# Altium PCB PCIe_to_M2E.PcbDoc (part 2 of 6)
Units mm, origin at the board's own origin, x right, y up, seen from the top; angles counter-clockwise.
Board outline 90 x 100 mm, 6 copper layers (1_TOP, 2_GND, 3_Signal, 4_GND, 5_Signal, 6_BOTTOM), stack 1.617 mm thick; 433 components, 362 nets, 1771 pads, 2680 vias.
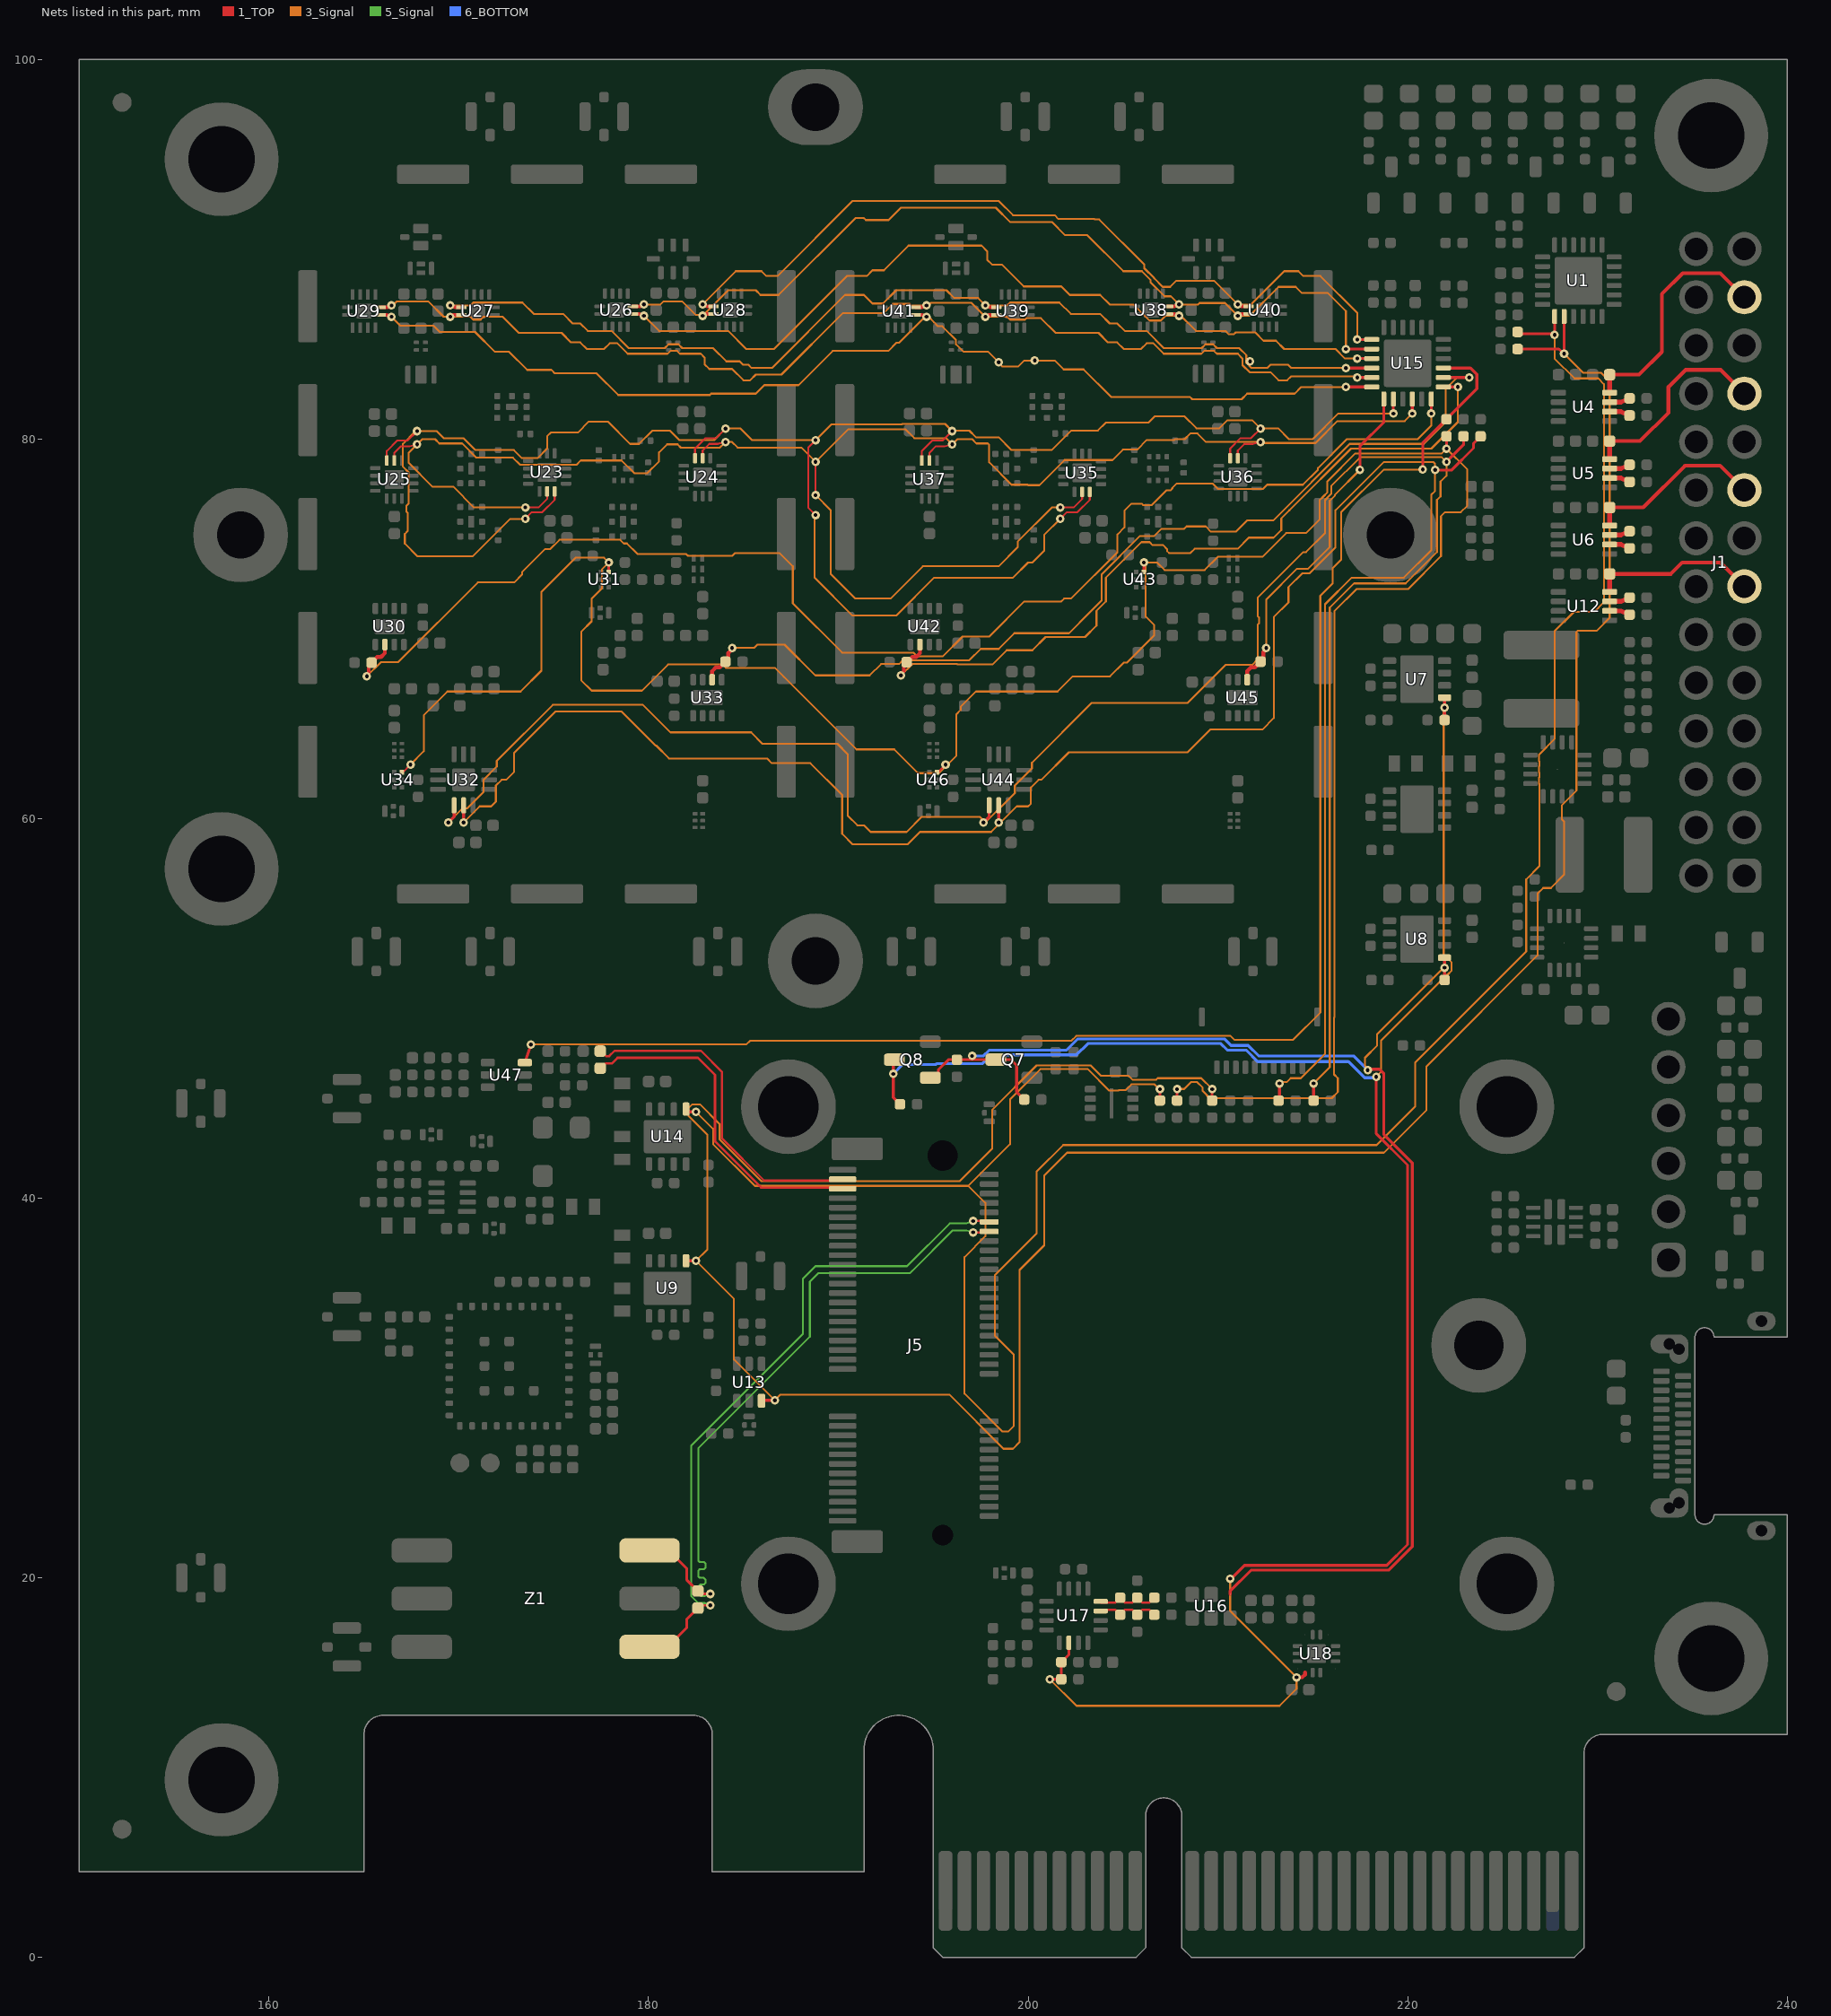
[diagram p6: the nets of this part, all layers, seen from the top]

## Footprints (in the part's own frame and the unit in brackets; to place one, negate y for a bottom-side part, rotate by r counter-clockwise, add the part's x,y. Pads: shape width x height; smd on the part's side, far side on the other; paste and mask are expansions set on the pad) (continued)
LINX_CONMHF4-SMD-G-T [mm]
  rrect50% 0.5x0.65 smd paste-0.025 mask+0.05: 1(0,-0.975)
  rrect50% 0.6x1.5 smd paste-0.025 mask+0.05: SH(-1,0) SH(1,0)
  rrect50% 0.5x0.55 smd paste-0.025 mask+0.05: SH(0,1.025)
  1_TOP keep-out region: -0.675,-0.625 0.675,-0.625 0.675,0.725 -0.675,0.725
  silkscreen extent -1,-1.25 1,0.95, body extent -1,-1 1,1, height 0.86
"Mini-Circuits_ GE0805C-2" [mm]
  rrect50% 0.7x0.3 smd paste-0.025 mask+0.05: 1(-1.05,0) 3(1.05,0)
  rrect50% 0.3x0.7 smd paste-0.025 mask+0.05: 2(-0.65,-0.725) 2(-0.65,0.725) 2(0,-0.725) 2(0,0.725) 2(0.65,-0.725) 2(0.65,0.725)
  silkscreen extent -1.25,-0.7 1.1,0.7, body extent -1,-0.63 1,0.63, height 0.96
Mini-Circuits_KK81 [mm]
  rrect50% 1.27x3.18 smd paste-0.025 mask+0.05: 1(-2.54,6) 2(0,6) 3(2.54,6) 4(2.54,-6) 5(0,-6) 6(-2.54,-6)
  silkscreen extent -4,-7.8 3.81,3.43, body extent -3.81,-7.1 3.81,7.1, height 6.62
MOLEX_5034801000 [mm]
  rrect50% 0.3x0.7 smd: 1(-2.25,3.3) 2(-1.75,3.3) 3(-1.25,3.3) 4(-0.75,3.3) 5(-0.25,3.3) 6(0.25,3.3) 7(0.75,3.3) 8(1.25,3.3) 9(1.75,3.3) 10(2.25,3.3)
  rrect50% 0.3x1 smd paste-0.025 mask+0.05: SH(-3.04,0.65) SH(3.04,0.65)
  silkscreen extent -3.35,0 3.35,4.15, body extent -2.85,0 2.85,3.6, height 1.85
MURATA_LFL0Q806MTR3E981 [mm]
  rrect50% 0.2x0.275 smd paste-0.025 mask+0.05: 1(-0.2,0.238) 2(-0.2,-0.238) 3(0.2,0.238) 3(0.2,-0.238)
  silkscreen extent -0.3,0.55 0.3,0.55, body extent -0.3,-0.38 0.3,0.38, height 0.31
OSCCC320X250X100L70X80N [mm] "Oscillator, Corner Concave; 3.20 mm L X 2.50 mm W X 1.00 mm H body"
  round 0.025 smd paste-0.025 mask+0.05: 1(-0.975,1.275)
  rrect50% 1.05x1.15 smd paste-0.025 mask+0.05: 2(-0.975,-1.275) 3(0.975,-1.275) 4(0.975,1.275)
  1_TOP region: -1.238,0.7 -1.338,0.72 -1.423,0.777 -1.48,0.862 -1.5,0.962 -1.5,0.962 -1.5,1.588 -1.48,1.688 -1.423,1.773 -1.338,1.83 -1.238,1.85 -1.238,1.85 -0.712,1.85 -0.612,1.83 -0.527,1.773 -0.47,1.688 -0.45,1.587 -0.45,1.588 -0.45,1.15 -0.468,1.058 -0.521,0.979 -0.521,0.979 -0.729,0.771 -0.808,0.718 -0.9,0.7 -0.9,0.7
  silkscreen extent -1.75,-1.65 1.3,1.8, body extent -1.25,-1.6 1.25,1.6, height 1
PLD-28 [mm]
  rrect50% 1.8x1.8 hole 1.2 paste-10 mask+0.05: 1(0,0)
  round 1.8 hole 1.2 paste-10 mask+0.05: 2(0,2.54) 3(2.54,0) 4(2.54,2.54) 5(5.08,0) 6(5.08,2.54) 7(7.62,0) 8(7.62,2.54) 9(10.16,0) 10(10.16,2.54) 11(12.7,0) 12(12.7,2.54) 13(15.24,0) 14(15.24,2.54) 15(17.78,0) 16(17.78,2.54) 17(20.32,0) 18(20.32,2.54) 19(22.86,0) 20(22.86,2.54) 21(25.4,0) 22(25.4,2.54) 23(27.94,0) 24(27.94,2.54) 25(30.48,0) 26(30.48,2.54) 27(33.02,0) 28(33.02,2.54)
  silkscreen extent -1.28,-1.7 34.3,3.81, body extent -1.27,-1.27 34.29,3.81, height 8.8
PLS-06 [mm]
  rrect50% 1.8x1.8 hole 1.2 paste-10 mask+0.05: 1(0,0)
  round 1.8 hole 1.2 paste-10 mask+0.05: 2(2.54,0) 3(5.08,0) 4(7.62,0) 5(10.16,0) 6(12.7,0)
  silkscreen extent -1.28,-1.8 13.98,1.27, body extent -1.27,-1.27 13.97,1.27, height 8.8
PSON6P40_110X70X32L20X20N [mm] "Pullback Small Outline No-Lead (PSON), 0.40 mm pitch; 6 pin, 1.10 mm L X 0.70 mm W X 0.32 mm H body"
  rrect25% 0.25x0.25 smd paste+0 mask-99: 1(-0.2,0.4) 2(-0.2,0) 3(-0.2,-0.4) 4(0.2,-0.4) 5(0.2,0) 6(0.2,0.4)
  silkscreen extent -0.6,-0.72 0.53,0.8, body extent -0.35,-0.55 0.35,0.55, height 0.32
PSON9P50_200X300X50L45X25T160X20N [mm] "Pullback Small Outline No-Lead (PSON with Tab), 0.50 mm pitch; 8 pin, 2.00 mm L X 3.00 mm W X 0.50 mm H body"
  rrect51% 0.59x0.35 smd paste-0.025 mask+0.05: 1(-1.12,0.75) 2(-1.12,0.25) 3(-1.12,-0.25) 4(-1.12,-0.75) 5(1.12,-0.75) 6(1.12,-0.25) 7(1.12,0.25) 8(1.12,0.75)
  rrect50% 0.2x1.6 smd paste-0.025 mask+0.05: EP(0,0)
  silkscreen extent -1.6,-1.1 1.6,1.1, body extent -1.5,-1 1.5,1, height 0.5
QFN12P50_250X200X100L40X20N [mm] "Quad Flat No-Lead (QFN), 0.50 mm pitch; rect., 2 pin X 4 pin, 2.50 mm L X 2.00 mm W X 1.00 mm H body"
  rrect35% 1.05x0.4 smd paste-0.025 mask+0.05: 1(-0.675,0.35) 2(-0.675,-0.35) 7(0.675,-0.35) 8(0.675,0.35)
  rrect50% 0.22x0.75 smd paste-0.025 mask+0.05: 3(-0.75,-1.125) 4(-0.25,-1.125) 5(0.25,-1.125) 6(0.75,-1.125) 9(0.75,1.125) 10(0.25,1.125) 11(-0.25,1.125) 12(-0.75,1.125)
  silkscreen extent -1.25,-1.3 1.05,1.3, body extent -1.05,-1.3 1.05,1.3, height 1
QFN13P40_180X180X60L25X18T80N [mm] "Quad Flat No-Lead (QFN with Tab), 0.40 mm pitch; square, 2 pin X 4 pin, 1.80 mm L X 1.80 mm W X 0.60 mm H body"
  rrect48% 0.55x0.2 smd paste-0.025 mask+0.05: 1(-0.875,0.2) 2(-0.875,-0.2) 7(0.875,-0.2) 8(0.875,0.2)
  rrect48% 0.2x0.55 smd paste-0.025 mask+0.05: 3(-0.6,-0.875) 4(-0.2,-0.875) 5(0.2,-0.875) 6(0.6,-0.875) 9(0.6,0.875) 10(0.2,0.875) 11(-0.2,0.875) 12(-0.6,0.875)
  rrect15% 0.8x0.8 smd paste-0.025 mask+0.05: EP(0,0)
  silkscreen extent -1.15,-0.95 0.95,0.95, body extent -0.95,-0.95 0.95,0.95, height 0.6
QFN13P50_300X300X90L50X23T120N [mm] "Quad Flat No-Lead (QFN with Tab), 0.50 mm pitch; square, 3 pin X 3 pin, 3.00 mm L X 3.00 mm W X 0.90 mm H body"
  rrect50% 0.84x0.25 smd paste-0.025 mask+0.05: 1(-1.345,0.5) 2(-1.345,0) 3(-1.345,-0.5) 7(1.345,-0.5) 8(1.345,0) 9(1.345,0.5)
  rrect50% 0.25x0.84 smd paste-0.025 mask+0.05: 4(-0.5,-1.345) 5(0,-1.345) 6(0.5,-1.345) 10(0.5,1.345) 11(0,1.345) 12(-0.5,1.345)
  rrect15% 1.2x1.2 smd paste-0.025 mask+0.05: EP(0,0)
  silkscreen extent -1.75,-1.55 1.55,1.75, body extent -1.55,-1.55 1.55,1.55, height 0.9
QFN15P40_200X200X60L21X18T100N [mm] "Quad Flat No-Lead (QFN with Tab), 0.40 mm pitch; square, 3 pin X 4 pin, 2.00 mm L X 2.00 mm W X 0.60 mm H body"
  rrect48% 0.55x0.2 smd paste-0.025 mask+0.05: 1(-1,0.4) 2(-1,0) 3(-1,-0.4) 8(1,-0.4) 9(1,0) 10(1,0.4)
  rrect48% 0.2x0.55 smd paste-0.025 mask+0.05: 4(-0.6,-1) 5(-0.2,-1) 6(0.2,-1) 7(0.6,-1) 11(0.6,1) 12(0.2,1) 13(-0.2,1) 14(-0.6,1)
  rrect10% 1x1 smd paste-0.025 mask+0.05: EP(0,0)
  silkscreen extent -1.25,-1.05 1.05,1.25, body extent -1.05,-1.05 1.05,1.05, height 0.6
QFN17P50_300X300X100L40X24T170N [mm] "Quad Flat No-Lead (QFN with Tab), 0.50 mm pitch; square, 4 pin X 4 pin, 3.00 mm L X 3.00 mm W X 1.00 mm H body"
  rrect50% 0.75x0.26 smd paste-0.025 mask+0.05: 1(-1.425,0.75) 2(-1.425,0.25) 3(-1.425,-0.25) 4(-1.425,-0.75) 9(1.425,-0.75) 10(1.425,-0.25) 11(1.425,0.25) 12(1.425,0.75)
  rrect50% 0.26x0.75 smd paste-0.025 mask+0.05: 5(-0.75,-1.425) 6(-0.25,-1.425) 7(0.25,-1.425) 8(0.75,-1.425) 13(0.75,1.425) 14(0.25,1.425) 15(-0.25,1.425) 16(-0.75,1.425)
  round 0.025 smd paste-99 mask+0.05: EP(0,0)
  1_TOP region: -0.85,-0.765 -0.85,0.5 -0.841,0.546 -0.815,0.585 -0.815,0.585 -0.585,0.815 -0.546,0.841 -0.5,0.85 -0.5,0.85 0.765,0.85 0.798,0.844 0.825,0.825 0.844,0.798 0.85,0.765 0.85,0.765 0.85,-0.765 0.844,-0.798 0.825,-0.825 0.798,-0.844 0.765,-0.85 0.765,-0.85 -0.765,-0.85 -0.798,-0.844 -0.825,-0.825 -0.844,-0.798 -0.85,-0.765
  silkscreen extent -1.8,-1.55 1.55,1.8, body extent -1.55,-1.55 1.55,1.55, height 1
QFN19P40_200X200X40L25X20T100N [mm] "Quad Flat No-Lead (QFN with Tab), 0.40 mm pitch; square, 5 pin X 4 pin, 2.00 mm L X 2.00 mm W X 0.40 mm H body"
  round 0.025 smd paste-0.025 mask+0.05: 1(-1,0.8) 5(-1,-0.8) 6(-0.6,-1) 9(0.6,-1) 10(1,-0.8) 14(1,0.8) 15(0.6,1) 18(-0.6,1)
  rrect55% 0.5x0.2 smd paste-0.025 mask+0.05: 2(-1,0.4) 3(-1,0) 4(-1,-0.4) 11(1,-0.4) 12(1,0) 13(1,0.4)
  rrect55% 0.2x0.5 smd paste-0.025 mask+0.05: 7(-0.2,-1) 8(0.2,-1) 16(0.2,1) 17(-0.2,1)
  rrect15% 1x1 smd paste-0.025 mask+0.05: EP(0,0)
  1_TOP region: -1.195,0.7 -1.216,0.704 -1.234,0.716 -1.246,0.734 -1.25,0.755 -1.25,0.755 -1.25,0.845 -1.246,0.866 -1.234,0.884 -1.216,0.896 -1.195,0.9 -1.195,0.9 -0.9,0.9 -0.75,0.75 -0.75,0.73 -0.752,0.719 -0.759,0.709 -0.769,0.702 -0.78,0.7 -0.78,0.7
  1_TOP region: -1.195,-0.7 -1.216,-0.704 -1.234,-0.716 -1.246,-0.734 -1.25,-0.755 -1.25,-0.755 -1.25,-0.845 -1.246,-0.866 -1.234,-0.884 -1.216,-0.896 -1.195,-0.9 -1.195,-0.9 -0.9,-0.9 -0.75,-0.75 -0.75,-0.73 -0.752,-0.719 -0.759,-0.709 -0.769,-0.702 -0.78,-0.7 -0.78,-0.7
  1_TOP region: -0.5,1.195 -0.504,1.216 -0.516,1.234 -0.534,1.246 -0.555,1.25 -0.555,1.25 -0.645,1.25 -0.666,1.246 -0.684,1.234 -0.696,1.216 -0.7,1.195 -0.7,1.195 -0.7,0.9 -0.55,0.75 -0.53,0.75 -0.519,0.752 -0.509,0.759 -0.502,0.769 -0.5,0.78 -0.5,0.78
  1_TOP region: 1.195,0.7 1.216,0.704 1.234,0.716 1.246,0.734 1.25,0.755 1.25,0.755 1.25,0.845 1.246,0.866 1.234,0.884 1.216,0.896 1.195,0.9 1.195,0.9 0.9,0.9 0.75,0.75 0.75,0.73 0.752,0.719 0.759,0.709 0.769,0.702 0.78,0.7 0.78,0.7
  1_TOP region: 0.5,1.195 0.504,1.216 0.516,1.234 0.534,1.246 0.555,1.25 0.555,1.25 0.645,1.25 0.666,1.246 0.684,1.234 0.696,1.216 0.7,1.195 0.7,1.195 0.7,0.9 0.55,0.75 0.53,0.75 0.519,0.752 0.509,0.759 0.502,0.769 0.5,0.78 0.5,0.78
  1_TOP region: 1.195,-0.7 1.216,-0.704 1.234,-0.716 1.246,-0.734 1.25,-0.755 1.25,-0.755 1.25,-0.845 1.246,-0.866 1.234,-0.884 1.216,-0.896 1.195,-0.9 1.195,-0.9 0.9,-0.9 0.75,-0.75 0.75,-0.73 0.752,-0.719 0.759,-0.709 0.769,-0.702 0.78,-0.7 0.78,-0.7
  1_TOP region: 0.5,-1.195 0.504,-1.216 0.516,-1.234 0.534,-1.246 0.555,-1.25 0.555,-1.25 0.645,-1.25 0.666,-1.246 0.684,-1.234 0.696,-1.216 0.7,-1.195 0.7,-1.195 0.7,-0.9 0.55,-0.75 0.53,-0.75 0.519,-0.752 0.509,-0.759 0.502,-0.769 0.5,-0.78 0.5,-0.78
  1_TOP region: -0.5,-1.195 -0.504,-1.216 -0.516,-1.234 -0.534,-1.246 -0.555,-1.25 -0.555,-1.25 -0.645,-1.25 -0.666,-1.246 -0.684,-1.234 -0.696,-1.216 -0.7,-1.195 -0.7,-1.195 -0.7,-0.9 -0.55,-0.75 -0.53,-0.75 -0.519,-0.752 -0.509,-0.759 -0.502,-0.769 -0.5,-0.78 -0.5,-0.78
  silkscreen extent -1.3,-1.2 1.2,1.3, body extent -1.05,-1.05 1.05,1.05, height 1
QFN25P50_400X400X80L40X24T250N [mm] "Quad Flat No-Lead (QFN with Tab), 0.50 mm pitch; square, 6 pin X 6 pin, 4.00 mm L X 4.00 mm W X 0.80 mm H body"
  rrect54% 0.8x0.26 smd paste-0.025 mask+0.05: 1(-1.885,1.25) 2(-1.885,0.75) 3(-1.885,0.25) 4(-1.885,-0.25) 5(-1.885,-0.75) 6(-1.885,-1.25) 13(1.885,-1.25) 14(1.885,-0.75) 15(1.885,-0.25) 16(1.885,0.25) 17(1.885,0.75) 18(1.885,1.25)
  rrect54% 0.26x0.8 smd paste-0.025 mask+0.05: 7(-1.25,-1.885) 8(-0.75,-1.885) 9(-0.25,-1.885) 10(0.25,-1.885) 11(0.75,-1.885) 12(1.25,-1.885) 19(1.25,1.885) 20(0.75,1.885) 21(0.25,1.885) 22(-0.25,1.885) 23(-0.75,1.885) 24(-1.25,1.885)
  rrect10% 2.5x2.5 smd paste-99 mask+0.05: EP(0,0)
  silkscreen extent -2.3,-2.05 2.05,2.3, body extent -2.05,-2.05 2.05,2.05, height 0.8
QUECTEL_LG77LC [mm]
  rrect50% 0.4x0.3 smd paste-0.025 mask+0.05: 1(-3.15,2.6) 2(-3.15,1.95) 3(-3.15,1.3) 4(-3.15,0.65) 5(-3.15,0) 6(-3.15,-0.65) 7(-3.15,-1.3) 8(-3.15,-1.95) 9(-3.15,-2.6) 19(3.15,-2.6) 20(3.15,-1.95) 21(3.15,-1.3) 22(3.15,-0.65) 23(3.15,0) 24(3.15,0.65) 25(3.15,1.3) 26(3.15,1.95) 27(3.15,2.6)
  rrect50% 0.3x0.4 smd paste-0.025 mask+0.05: 10(-2.6,-3.15) 11(-1.95,-3.15) 12(-1.3,-3.15) 13(-0.65,-3.15) 14(0,-3.15) 15(0.65,-3.15) 16(1.3,-3.15) 17(1.95,-3.15) 18(2.6,-3.15) 28(2.6,3.15) 29(1.95,3.15) 30(1.3,3.15) 31(0.65,3.15) 32(0,3.15) 33(-0.65,3.15) 34(-1.3,3.15) 35(-1.95,3.15) 36(-2.6,3.15)
  rrect40% 0.5x0.5 smd paste-0.025 mask+0.05: 37(-1.3,1.3) 38(0,1.3) 39(-1.3,0) 40(0,0) 41(-1.3,-1.3) 42(0,-1.3) 43(1.3,-1.3)
  silkscreen extent -3.8,-3.55 3.55,3.8, body extent -3.5,-3.5 3.5,3.5, height 2.01
RESC100X50X40L20N [mm] "Resistor, Chip 0402; 1.00 mm L X 0.50 mm W X 0.40 mm H body"
  rrect50% 0.55x0.55 smd paste-0.025 mask+0.05: 1(-0.45,0) 2(0.45,0)
  silkscreen extent -0.9,-0.45 0.9,0.45, body extent -0.5,-0.25 0.5,0.25, height 0.4
SMD-0603-CAP_HighDensity [mm]
  rect 0.6x0.85 smd mask+0.075: 1(-0.6,0) 2(0.6,0)
  body extent -0.8,-0.4 0.8,0.4, height 0.8
SON8P50_200X200X80L50X25N [mm] "Small Outline No-Lead (SON), 0.50 mm pitch; 8 pin, 2.00 mm L X 2.00 mm W X 0.80 mm H body"
  rrect50% 0.95x0.27 smd paste-0.025 mask+0.05: 1(-0.775,0.75)
  rrect50% 0.85x0.27 smd paste-0.025 mask+0.05: 2(-0.825,0.25) 3(-0.825,-0.25) 4(-0.825,-0.75) 5(0.825,-0.75) 6(0.825,-0.25) 7(0.825,0.25) 8(0.825,0.75)
  silkscreen extent -1.45,-1.05 1,1.05, body extent -1.05,-1 1.05,1, height 0.8
SON9P50_200X200X100L30X25T160X80N [mm] "Small Outline No-Lead (SON with Tab), 0.50 mm pitch; 8 pin, 2.00 mm L X 2.00 mm W X 1.00 mm H body"
  rrect52% 0.6x0.3 smd paste-0.025 mask+0.05: 1(-0.95,0.75) 2(-0.95,0.25) 3(-0.95,-0.25) 4(-0.95,-0.75) 5(0.95,-0.75) 6(0.95,-0.25) 7(0.95,0.25) 8(0.95,0.75)
  rrect20% 0.8x1.6 smd paste-0.025 mask+0.05: EP(0,0)
  silkscreen extent -1.45,-1.1 1,1.1, body extent -1.05,-1 1.05,1, height 1
SON9P65_300X300X100L40X31T250X175N [mm] "Small Outline No-Lead (SON with Tab), 0.65 mm pitch; 8 pin, 3.00 mm L X 3.00 mm W X 1.00 mm H body"
  rrect48% 0.7x0.35 smd paste-0.025 mask+0.05: 1(-1.45,0.975) 2(-1.45,0.325) 3(-1.45,-0.325) 4(-1.45,-0.975) 5(1.45,-0.975) 6(1.45,-0.325) 7(1.45,0.325) 8(1.45,0.975)
  rrect10% 1.75x2.5 smd paste-99 mask+0.05: EP(0,0)
  silkscreen extent -2,-1.5 1.55,1.5, body extent -1.55,-1.5 1.55,1.5, height 1
SOP8P50_200X310X90L27X21N [mm] "Small Outline Pkg (SOP), 0.50 mm pitch; 8 pin, 2.00 mm L X 2.30 mm W X 0.90 mm H body"
  rrect48% 0.8x0.3 smd paste-0.025 mask+0.05: 1(-1.35,0.75) 2(-1.35,0.25) 3(-1.35,-0.25) 4(-1.35,-0.75) 5(1.35,-0.75) 6(1.35,-0.25) 7(1.35,0.25) 8(1.35,0.75)
  silkscreen extent -1.95,-1.1 1.2,1.1, body extent -1.55,-1 1.55,1, height 0.9
SOT23-3P95_245X110L45X44N [mm] "Small Outline Transistor (SOT23), 0.95 mm pitch; 3 pin, 2.90 mm L X 1.30 mm W X 1.10 mm H body"
  rrect50% 1.1x0.65 smd paste-0.025 mask+0.05: 1(-0.95,0.95) 2(-0.95,-0.95) 3(0.95,0)
  silkscreen extent -1.7,-1.5 0.7,1.5, body extent -1.23,-1.45 1.22,1.45, height 1.1
SOT363-2P95_200X125L45X40N [mm] "Small Outline Transistor (SOT23), 0.95 mm pitch; 6 pin, 2.00 mm L X 1.25 mm W X 0.9 mm H body"
  rrect50% 0.75x0.4 smd paste-0.025 mask+0.05: 1(-0.975,0.65) 2(-0.975,0) 3(-0.975,-0.65) 4(0.975,-0.65) 5(0.975,0) 6(0.975,0.65)
  silkscreen extent -1.55,-1.12 0.75,1.12, body extent -1.04,-1.2 1.1,1.2, height 1.65
TAIYO_YUDEN_SMD-8 [mm]
  rrect35% 0.3x0.23 smd paste-0.025 mask+0.05: 1(-0.625,-0.46) 3(0.625,-0.46) 6(0,0.46) GND(-0.625,0) GND(-0.625,0.46) GND(0.625,0) GND(0.625,0.46)
  rrect35% 0.3x0.575 smd paste-0.025 mask+0.05: GND(0,-0.287)
  silkscreen extent -1,-0.8 1,0.8, body extent -0.9,-0.7 0.9,0.7, height 0.51
TAIYO_YUDEN_SMD-9 [mm]
  rrect35% 0.325x0.325 smd paste-0.025 mask+0.05: 1(-0.775,-0.575) 3(0.775,-0.575) 6(0,0.575) GND(-0.775,0) GND(-0.775,0.575) GND(0,-0.575) GND(0.775,0) GND(0.775,0.575)
  rrect35% 0.625x0.325 smd paste-0.025 mask+0.05: GND(0,0)
  silkscreen extent -1.15,-0.95 1.15,0.95, body extent -1,-0.8 1,0.8, height 0.61
TDK_DEA10-L [mm]
  rrect25% 0.25x0.18 smd paste+0 mask-99: 1(-0.2,0.36) 2(-0.2,0) 3(-0.2,-0.36) 4(0.2,-0.36) 5(0.2,0) 6(0.2,0.36)
  silkscreen extent -0.6,-0.67 0.53,0.75, body extent -0.35,-0.5 0.35,0.5, height 0.41
TDK_DEA162495BT-1289A1 [mm]
  rrect50% 0.5x0.3 smd paste-0.025 mask+0.05: 1(-0.85,0) 3(0.85,0)
  rrect25% 0.8x0.5 smd paste-0.025 mask+0.05: 2(0,0.45) 2(0,-0.45)
  silkscreen extent -1.06,-0.55 0.95,0.55, body extent -0.8,-0.4 0.8,0.4, height 0.61
TDK_DEA163750BT-3059A1 [mm]
  rrect50% 0.275x0.7 smd paste-0.025 mask+0.05: 1(-0.562,0) 3(0.562,0)
  rrect25% 0.45x0.245 smd paste-0.025 mask+0.05: 2(0,0.228) 2(0,-0.228)
  silkscreen extent -1.05,-0.55 0.95,0.55, body extent -0.8,-0.4 0.8,0.4, height 0.66
TDK_DEA202025LT-5052C1 [mm]
  rrect50% 0.275x0.95 smd paste-0.025 mask+0.05: 1(-0.687,0) 3(0.687,0)
  rrect25% 0.6x0.95 smd paste-0.025 mask+0.05: 2(0,0)
  silkscreen extent -1.25,-0.7 1.05,0.7, body extent -1,-0.63 1,0.63, height 0.81
TDK_HHM22152A2 [mm]
  rrect25% 0.225x0.35 smd paste-0.025 mask+0.05: 1(-0.222,0.57) 2(-0.222,0) 3(-0.222,-0.57) 4(0.222,-0.57) 5(0.222,0) 6(0.222,0.57)
  silkscreen extent -0.6,-1 0.6,1, body extent -0.4,-0.8 0.4,0.8, height 0.61
TP100 [mm]
  round 1 smd paste-99 mask+0.05: 1(0,0)
  silkscreen extent -0.7,-0.7 0.7,0.7
WAKEFIELD_960-31-33-F-AB-0 [mm]
  round 5 hole 3.2 unplated paste-99 mask+0.1: MH(-12.57,-18.93) MH(12.57,18.93)
  body extent -15.75,-22.11 15.75,22.11, height 33

## Part data
C1 C2 C4 C5 C6 C8 C9 C10 C11 C12 C13 C19 C20 C25 C26 C30 C31 C32 C34 C35 C36 C37 C47 C60 C61 C62 C63 C64 C65 C68 C69 C70 C76 C77 C79 C82 C83 C84 C85 C86 C87 C90 C91 C92 C98 C99 C101 C104 C105: "Capacitor, 0.1u, 25V, 10%, X7R, 0402", Manufacturer="Murata Electronics"
C3 C14 C15 C18 C23 C24 C27 C33: "Capacitor, 10u, 25V, 20%, X5R, 0603"
C7 C16 C17 C21 C22 C28 C29 C39 C43: "CAP CER 47UF 4V X6S 0603", Digi-Key Part Number=490-13246-2-ND, Manufacturer="Murata Electronics North America", Operating Temperature="-55°C ~ 105°C", Package / Case="0.063\" L x 0.031\" W (1.60mm x 0.80mm)", Temperature Coefficient=X6S, Tolerance=±20%, Voltage=4V, Applications="General Purpose", Datasheets=https://www.murata.com/-/media/webrenewal/support/library/catalog/products/capacitor/ceramiccapacitor/c02e.ashx?la=en-us&cvid=20210120024548000000, Failure Rate="Surface Mount, MLCC", Mounting Type="0603 (1608 Metric)", Part Number=GRM188C80G476ME01D, Part Status=Active, Series=GRM
C38 C48 C49 C51 C52 C53 C54 C55 C56 C57 C58 C67 C81 C107: "Capacitor, 1000p, 50V, 20%, NP0, 0402"
C40 C41 C42 C46 C59 C75 C78 C97 C100 C106 C110: "Capacitor feedthru, 14u, 4V, 20%, 2A, 0402", Manufacturer="Murata Electronics", Name=NFM15PC146R0G3D
C44 C45: "Capacitor, 33p, 50V, 20%, NP0, 0402"
C50: "Capacitor, DNP, 0402"
C66 C71 C72 C73 C74 C80 C88 C89 C93 C94 C95 C96 C102 C103 C108 C109: "Capacitor, 100p, 50V, 20%, NP0, 0402"
D1 D2 D3 D4 D5 D6 D7 D8 D9 D10 D11 D12 D13: "LED Diode, Green, -30/+85, SMD0603", Manufacturer="Lite-On Inc."
D14: library part CUS15S30, "Diode, Schottky, 20V, 1.5A, 0.3Vf, -50/+125, SOD-323-2", Manufacturer=Toshiba
J1: "Conn, Header 12x2, 2.54mm, Trough Hole"
J2: "Edge connector PCI Express x4 Card"
J3: "Conn, USB-C, USB3.2 gen 2, +25/+85, Right, Trough Hole", Manufacturer=GCT
J4: "Conn, Header 6x1, 2.54mm, Trough Hole"
J5: "Conn M.2, Key E, -40/+80, SMD", Manufacturer=JAE
J6 J7 J8 J9 J10 J12 J13 J14 J15 J16 J17 J18 J19 J20 J21 J24: "Conn, IPEX MHF4, Male Pin, 50 Ohm, -65/+165, SMD", Manufacturer="Linx Technologies Inc.", Name=CONMHF4-SMD-G-T
J22: "Conn, FFC, 10 pins, 0.5mm, -40/+85, Right, SMD", Manufacturer=Molex
L1 L21: "Inductor, 2.2u, 2,9A, 42mOhm, +/-30%, -25/+125, SMD", Manufacturer="Taiyo Yuden"
L3 L4 L5 L6 L7 L8 L9 L23 L26 L51 L54 L57: "Ferrite bead, 600Ohm@100MHz, 0,3A, 700mOhm, -55/+125, SMD0402", Manufacturer="Murata Electronics", Name=BLM15HG601SN1D
L10 L14 L15 L16 L17 L18 L19 L20 L22 L28 L36 L44 L45 L46 L47 L48 L50 L56: "Ferrite bead, 1800Ohm@100MHz, 0,2A, 2.2Ohm, -55/+125, SMD0402", Manufacturer="Murata Electronics", Name=BLM15HD182SN1D
L11 L12 L13: "Inductor, 47n, 0,44A, 648mOhm, +/-5%, -55/+125, SMD0402", Manufacturer=Murata, Name=LQW15AN47NJ8ZD
L24 L25 L52 L53: "Inductor, 18n, -55/+125, SMD0402", Manufacturer=TDK, Name=MLK1005S18NJT000
L29 L38: "Inductor, 3.4n, -55/+125, SMD0201", Manufacturer=TDK, Name=MLG0603P3N4BT000
L30 L39: "Inductor, 4.7n, -55/+125, SMD0201", Manufacturer=TDK, Name=MLG0603P4N7HT000
L31 L40: "Inductor, 7.5n, -55/+125, SMD0201", Manufacturer=TDK
  L31: Name=MLG0603P7N5HTD25
  L40: Name=MLG0603P7N5HT000
L32 L35 L41 L42: "Inductor, 8.2n, -55/+125, SMD0201", Manufacturer=TDK
  L32: Name=MLG0603P8N2HTD25
  L35 L41 L42: Name=MLG0603P8N2HT000
L33 L37: "Inductor, 2.7n, 0.5A, 200mOhm, -55/+125, SMD0201", Manufacturer=TDK
  L33: Name=MLG0603P2N7CTZ10
  L37: Name=MLG0603P2N7CT000
L34 L43: "Inductor, 10n, -55/+125, SMD0201", Manufacturer=TDK
  L34: Name=MLG0603P10NHTZ10
  L43: Name=MLG0603P10NHT000
Mech1: "Mech, standoff, M2, 0.35 mm", Manufacturer=JAE
Mech2 Mech4: "Mech, Heatsink, 31x33 mm, front, push pins", Manufacturer=Wakefield
Mech3 Mech5: "EMI Gaskets, Sheets, Absorbers & Shielding", Manufacturer="Laird Performance Materials"
Q1 Q2 Q3 Q4 Q5 Q6 Q7 Q8: "Transistor, MOSFET, N-CH, 25V, 0.68A, -55/+150, SOT-23", Manufacturer=Onsemi
R1 R67 R68 R74 R77 R103 R114 R123: "Resistor, DNP, 0.063W, 5%, 0402"
R2 R15 R16 R35 R36 R37 R38 R39 R40 R41 R42 R43 R44 R45 R46 R53 R58 R59 R70 R71: library part Res-0402-33-5%, "Resistor, 33, 0.063W, 5%, 0402", Name=RC0402FR-0733RL
R3 R4 R5 R6 R9 R10 R18 R19 R28 R30 R55 R97 R99 R109: library part Res-0402-6.8K-1%, "Resistor, 6.8K, 0.063W, 1%, 0402", Name=RC0402FR-076K8L
R7 R8 R80 R101 R131 R132 R133 R134 R136 R137 R138: library part Res-0402-56K-5%, "Resistor, 56K, 0.063W, 5%, 0402", Name=RC0402FR-0756KL
R11: library part Res-0402-1.5K-1%, "Resistor, 1.5K, 0.063W, 1%, 0402", Name=RC0402FR-071K5L
R12 R65 R130: library part Res-0402-5.1K-1%, "Resistor, 5.1K, 0.063W, 1%, 0402", Name=RC0402FR-075K1L
R13 R14 R66: library part Res-0402-10K-5%, "Resistor, 10K, 0.063W, 5%, 0402", Name=RC0402FR-0710KL
R17 R31 R32 R33 R34 R49 R50 R51 R52 R57 R76 R79 R105 R106 R107 R108: library part Res-0402-1K-5%, "Resistor, 1K, 0.063W, 5%, 0402", Name=RC0402FR-071KL
R20 R22 R60 R61 R72 R73 R81 R82 R83 R84 R85 R86 R87 R88 R89 R90 R91 R92 R93 R94 R95 R96 R98 R100 R104 R113 R116 R121 R122 R135: library part Res-0402-50-5%, "Resistor, 50, 0.063W, 5%, 0402", Name=RC0402FR-0750RL
R21 R54 R62 R63 R64: library part Res-0402-0-5%, "Resistor, 0, 0.063W, 5%, 0402", Name=RC0402JR-070RL
R23 R47: library part Res-0402-1.15K-1%, "Resistor, 1.15K, 0.063W, 1%, 0402", Name=RC0402FR-071K15L